# Altium PCB Audio_EDU_Mini_Rev1_0.PcbDoc (part 1 of 2) (continued)
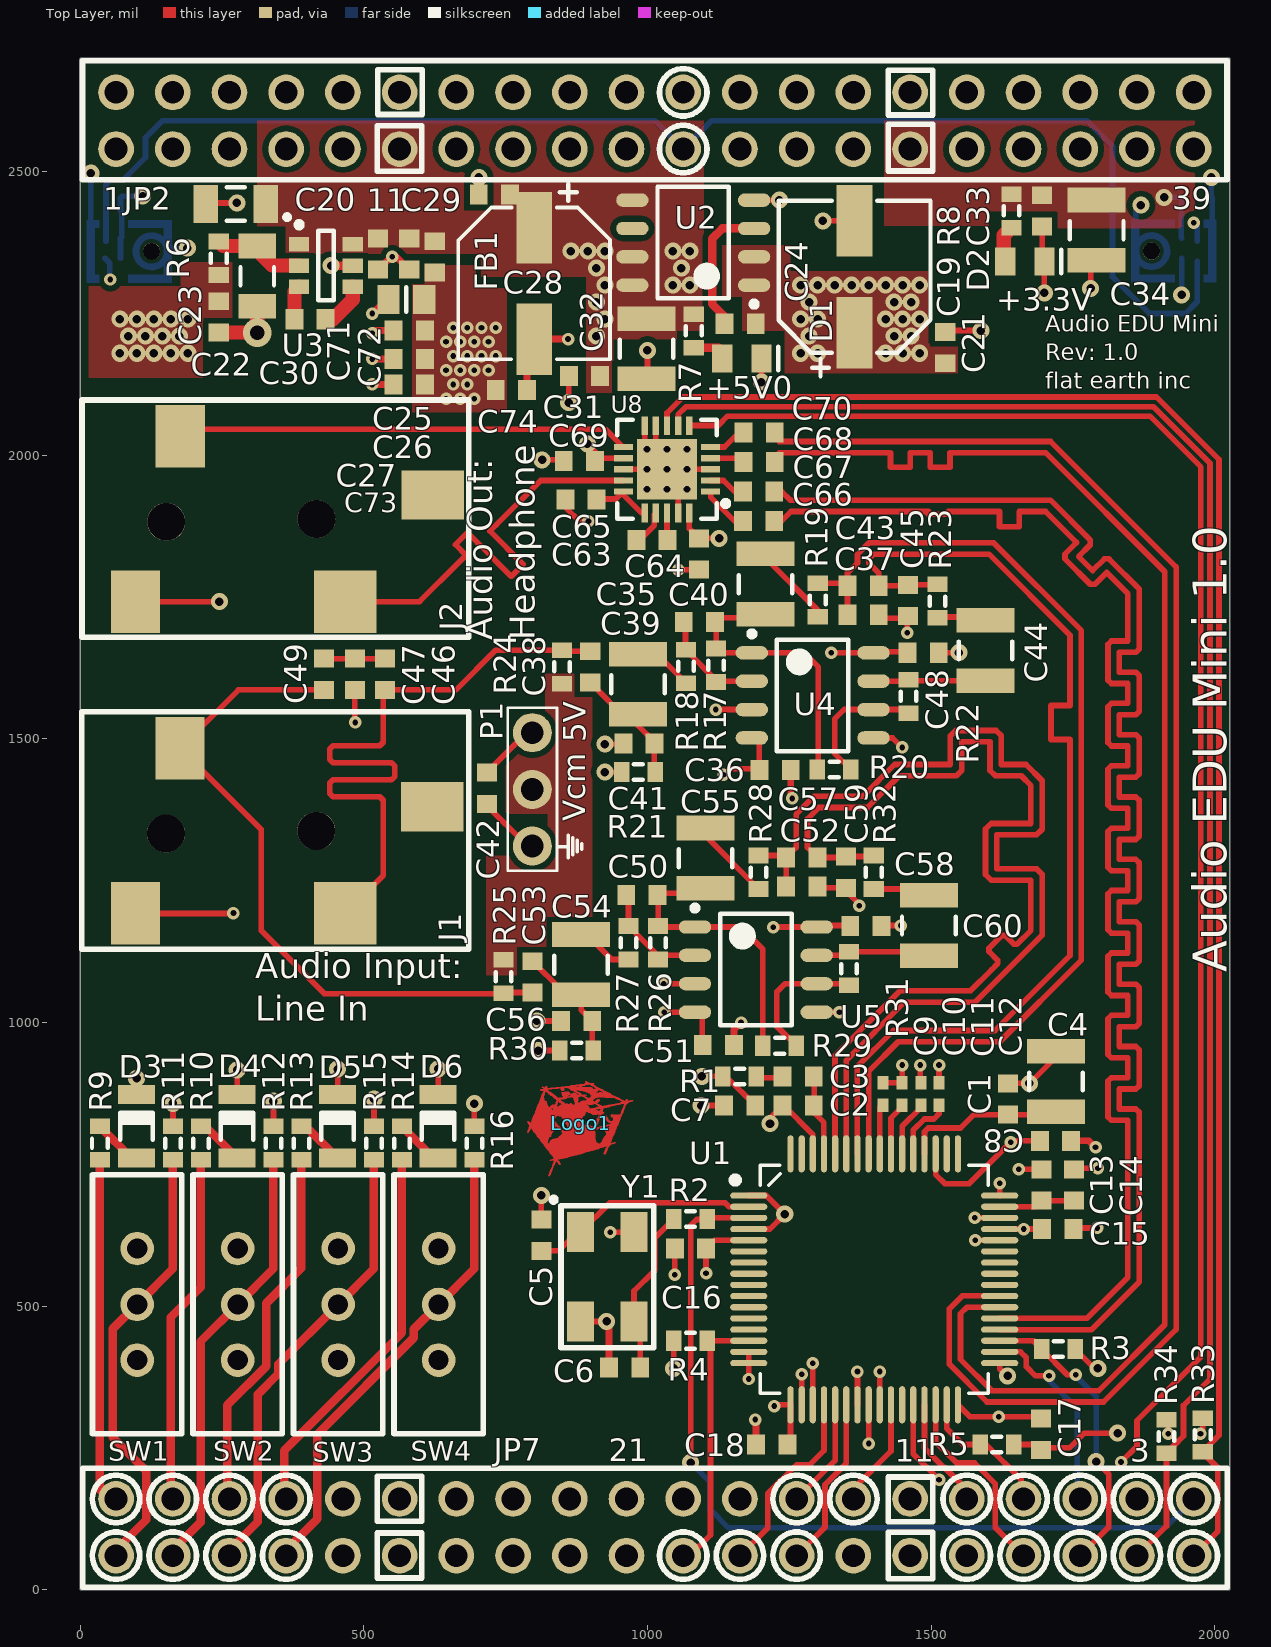
[diagram p0: Top Layer view]
## Part data (continued)
C38 C53 C63 C64 C65 C69: "CAP CER 1UF 16V X7R 0603", Capacitance=1uF, Case/Package=0603, Case Code (Metric)=1608, Dielectric=X7R, Manufacturer=TDK, Max Operating Temperature=125°C, Min Operating Temperature=-55°C, Package Quantity=4000, Supplier Part Number 1=445-12540-6-ND, Tolerance=20%, Voltage Rating=16V, Case Code (Imperial)=0603, ComponentLink1Description=https://product.tdk.com/info/en/catalog/datasheets/mlcc_automotive_general_en.pdf, ComponentLink1URL=https://product.tdk.com/info/en/catalog/datasheets/mlcc_automotive_general_en.pdf, ComponentLink2Description=http://product.tdk.com/capacitor/mlcc/detailed_information.php?lang=en&ref=jp&part_no=CGA3E1X7R1C105M080AC, ComponentLink2URL=http://product.tdk.com/capacitor/mlcc/detailed_information.php?lang=en&ref=jp&part_no=CGA3E1X7R1C105M080AC, ComponentLink3Description=http://product.tdk.com/en/catalog/datasheets/mlcc_automotive_general_en.pdf, ComponentLink3URL=http://product.tdk.com/en/catalog/datasheets/mlcc_automotive_general_en.pdf, Height=0.8mm, Lead Free="Lead Free", Length=0.063inch, Manufacturer Part Number=CGA3E1X7R1C105M080AC, Mount="Surface Mount", Packaging="Tape and Reel", Pricing 1="1=0.14, 10=0.1, 100=0.0468, 500=0.0328, 1000=0.0272 (USD)", Stock 1=18034, Supplier 1=Digi-Key, Termination=SMD/SMT, Thickness=0.035inch, Voltage Rating (DC)=16V, Weight=7.1E-05oz, Width=0.031inch
C41 C43 C56 C57: "CAP CER 100PF 100V 5% NP0 0603", Capacitance=100pF, Manufacturer="TDK Corporation", Operating Temperature="-55°C ~ 125°C", Package / Case="0603 (1608 Metric)", Ratings=-, Supplier Part Number 1=445-2306-1-ND, Temperature Coefficient="C0G, NP0", Tolerance=±5%, Voltage - Rated=100V, Applications="General Purpose", Category=Capacitors, ComponentLink1Description=http://www.tdk.com/pdf/mid_volt_B11.pdf, ComponentLink1URL=http://www.tdk.com/pdf/mid_volt_B11.pdf, Features=-, Height - Seated (Max)=-, Lead Spacing=-, Lead Style=-, Manufacturer Part Number=C1608C0G2A101J, Mounting Type="Surface Mount, MLCC", Packaging="Cut Tape (CT)", Pricing 1="10=0.05, 100=0.0231, 250=0.01892, 500=0.01618, 1000=0.0126 (USD)", RoHS="RoHS Compliant", Size / Dimension="0.063\" L x 0.031\" W (1.60mm x 0.80mm)", Stock 1=128588, Supplier 1=Digi-Key, Thickness (Max)="0.037\" (0.95mm)"
C46 C47 C49: "CAP CER 1000PF 50V 5% NP0 0603", Capacitance=1000pF, Manufacturer="TDK Corporation", Operating Temperature="-55°C ~ 125°C", Package / Case="0603 (1608 Metric)", Ratings=-, Supplier Part Number 1=445-1293-1-ND, Temperature Coefficient="C0G, NP0", Tolerance=±5%, Voltage - Rated=50V, Applications="General Purpose", Category=Capacitors, ComponentLink1Description=http://www.tdk.com/pdf/general_B11.pdf, ComponentLink1URL=http://www.tdk.com/pdf/general_B11.pdf, Features=-, Height - Seated (Max)=-, Lead Spacing=-, Lead Style=-, Manufacturer Part Number=C1608C0G1H102J, Mounting Type="Surface Mount, MLCC", Packaging="Cut Tape (CT)", Pricing 1="10=0.078, 100=0.0358, 250=0.02924, 500=0.02502, 1000=0.0195 (USD)", RoHS="RoHS Compliant", Size / Dimension="0.063\" L x 0.031\" W (1.60mm x 0.80mm)", Stock 1=229834, Supplier 1=Digi-Key, Thickness (Max)="0.037\" (0.95mm)"
C66 C67 C68 C70: "CAP CER 0.47UF 16V X7R 0603", Capacitance=0.47uF, Case/Package=0603, Case Code (Metric)=1608, Dielectric=X7R, Manufacturer=TDK, Max Operating Temperature=125°C, Min Operating Temperature=-55°C, Package Quantity=4000, Supplier Part Number 1=445-12537-6-ND, Tolerance=20%, Voltage Rating=16V, Case Code (Imperial)=0603, ComponentLink1Description=https://product.tdk.com/info/en/catalog/datasheets/mlcc_automotive_general_en.pdf, ComponentLink1URL=https://product.tdk.com/info/en/catalog/datasheets/mlcc_automotive_general_en.pdf, ComponentLink2Description=http://product.tdk.com/capacitor/mlcc/detailed_information.php?lang=en&ref=jp&part_no=CGA3E1X7R1C474M080AC, ComponentLink2URL=http://product.tdk.com/capacitor/mlcc/detailed_information.php?lang=en&ref=jp&part_no=CGA3E1X7R1C474M080AC, ComponentLink3Description=http://product.tdk.com/en/catalog/datasheets/mlcc_automotive_general_en.pdf, ComponentLink3URL=http://product.tdk.com/en/catalog/datasheets/mlcc_automotive_general_en.pdf, Height=0.8mm, Length=0.063inch, Manufacturer Part Number=CGA3E1X7R1C474M080AC, Mount="Surface Mount", Packaging="Tape and Reel", Pricing 1="1=0.18, 10=0.129, 100=0.0605, 500=0.0424, 1000=0.0351 (USD)", Stock 1=6138, Supplier 1=Digi-Key, Thickness=0.035inch, Voltage Rating (DC)=16V, Weight=7.1E-05oz, Width=0.031inch
C71 C72 C73 C74: "CAP 0603 SMD - NoLoad", Capacitance=NoLoad, Load Status="Do Not Install"
D1: "LED 660NM SUPER RED CLR 0805 T/R", Color=Red, Current - Test=20mA, Luminous Flux @ Current - Test=-, Manufacturer="Lumex Opto/Components Inc", Manufacturer Part Number=SML-LX0805SRC-TR, Millicandela Rating=25mcd, Package / Case="0805 (2012 Metric)", Supplier Part Number 1=67-2191-1-ND, Voltage - Forward (Vf) (Typ)=1.7V, Category=Optoelectronics, ComponentLink1Description=http://www.lumex.com/specs/SML-LX0805SRC-TR.pdf, ComponentLink1URL=http://www.lumex.com/specs/SML-LX0805SRC-TR.pdf, Height=1.10mm, Lens Type=Clear, Mounting Type="Surface Mount", Packaging="Cut Tape (CT)", Pricing 1="1=0.56, 10=0.395, 100=0.2596, 250=0.19472, 500=0.177, 1000=0.1416 (USD)", RoHS="RoHS Compliant", Size / Dimension="2.00mm L x 1.25mm W", Stock 1=1141, Supplier 1=Digi-Key, Viewing Angle=140°, Wavelength - Dominant=-, Wavelength - Peak=660nm
D2: "LED 610NM SUPER ORANGE 0805 SMD", Color=Orange, Current - Test=20mA, Luminous Flux @ Current - Test=-, Manufacturer="Lumex Opto/Components Inc", Manufacturer Part Number=SML-LX0805SOC-TR, Millicandela Rating=60mcd, Package / Case="0805 (2012 Metric)", Supplier Part Number 1=67-1637-1-ND, Voltage - Forward (Vf) (Typ)=2V, Category=Optoelectronics, ComponentLink1Description=http://www.lumex.com/specs/SML-LX0805SOC-TR.pdf, ComponentLink1URL=http://www.lumex.com/specs/SML-LX0805SOC-TR.pdf, Height=1.10mm, Lens Style/Size="Rectangle with Flat Top, 1.4mm x 1.25mm", Lens Type=Clear, Mounting Type="Surface Mount", Packaging="Cut Tape (CT)", Pricing 1="1=0.65, 10=0.502, 100=0.3255, 250=0.279, 500=0.2418, 1000=0.186 (USD)", RoHS="RoHS Compliant", Size / Dimension="2.00mm L x 1.25mm W", Stock 1=13373, Supplier 1=Digi-Key, Viewing Angle=140°, Wavelength - Dominant=-, Wavelength - Peak=610nm
D3 D4 D5 D6: "LED ALINGAP ULT GRN CLR 1206 SMD", Color=Green, Current - Test=20mA, Luminous Flux @ Current - Test=-, Manufacturer="Lumex Opto/Components Inc", Manufacturer Part Number=SML-LX1206SUGC-TR, Millicandela Rating=45mcd, Package / Case="1206 (3216 Metric)", Supplier Part Number 1=67-1698-1-ND, Voltage - Forward (Vf) Typ=2.2V, Category=Optoelectronics, ComponentLink1Description=http://www.lumex.com/specs/SML-LX1206SUGC-TR.pdf, ComponentLink1URL=http://www.lumex.com/specs/SML-LX1206SUGC-TR.pdf, Height=1.10mm, Lens Style/Size="Rectangle with Flat Top, 2mm x 1.6mm", Lens Type=Clear, Mounting Type="Surface Mount", Packaging="Cut Tape (CT)", Pricing 1="1=0.64, 10=0.49, 100=0.3534, 250=0.31352, 500=0.2679, 1000=0.2109 (USD)", RoHS="RoHS Compliant", Size / Dimension="3.20mm L x 1.60mm W", Stock 1=11785, Supplier 1=Digi-Key, Viewing Angle=140°, Wavelength - Dominant=-, Wavelength - Peak=574nm
FB1: "FERRITE CHIP 22 OHM 500MA 0603", Current Rating=500mA, DC Resistance (DCR)="350 mOhm Max", Impedance @ Frequency="22 Ohm @ 100MHz", Manufacturer="Murata Electronics North America", Package / Case="0603 (1608 Metric)", Supplier Part Number 1=490-1016-1-ND, Category=Filters, ComponentLink1Description=http://search.murata.co.jp/Ceramy/image/img/PDF/ENG/L0110S0100BLM18B.pdf, ComponentLink1URL=http://search.murata.co.jp/Ceramy/image/img/PDF/ENG/L0110S0100BLM18B.pdf, Filter Type="Differential Mode - Single", Height (Max)="0.037\" (0.95mm)", Manufacturer Part Number=BLM18BA220SN1D, Mounting Type="Surface Mount", Packaging="Cut Tape (CT)", Pricing 1="1=0.24, 10=0.18, 50=0.105, 100=0.084, 250=0.06, 500=0.0408, 1000=0.033 (USD)", RoHS="RoHS Compliant", Size / Dimension="0.063\" L x 0.031\" W (1.60mm x 0.80mm)", Stock 1=10969, Supplier 1=Digi-Key
J1 J2: "3.50mm (0.141\", 1/8\", Mini Plug) - Headphone Phone Jack Stereo Connector Solder", Body Color=Black, Current Rating=1A, Insulation Color=-, Manufacturer="CUI Inc.", Supplier Part Number 1=CP-3523SJCT-ND, Voltage - Rated=12VDC, Actual Diameter="0.142\" (3.60mm)", Body Material=-, Category="Connectors, Interconnects", ComponentLink1Description=http://www.cui.com/product/resource/digikeypdf/sj-352x-smt_series.pdf, ComponentLink1URL=http://www.cui.com/product/resource/digikeypdf/sj-352x-smt_series.pdf, Connector Type="Phone Jack", Contact Material - Plating=Silver, Features="Board Guide", Gender=Female, Includes="1 pc - 1 Connector", Industry Recognized Mating Diameter="3.50mm (0.141\", 1/8\", Mini Plug) - Headphone", Internal Switch(s)="Does Not Contain Switch", LatestRevisionDate=17-Jul-2002, LatestRevisionNote="Re-released for DXP Platform.", Manufacturer Part Number=SJ-3523-SMT-TR, Mating Length/Depth="0.551\" (14.00mm)", Mounting Type="Surface Mount, Right Angle", Number of Positions/Contacts="3 Conductors, 3 Contacts", Packaging="Cut Tape (CT)", Part Status=Active, Pricing 1="1=1.34, 10=1.043, 100=0.7961, 500=0.63558 (USD)", Publisher="Altium Limited", RoHS="RoHS Compliant", Shielding=Unshielded, Signal Lines=Stereo, Stock 1=104981, Supplier 1=Digi-Key, Termination=Solder
JP2 JP7: library part CON_TH_0D100P_2x20, "Female to Male 0D100P 2x20 Connector", Manufacturer=Samtec, LatestRevisionDate=17-Jul-2002, LatestRevisionNote="Re-released for DXP Platform.", Manufacturer Part Number=ESQ-120-14-T-D-LL, Publisher="Altium Limited", Supplier 1=Samtec, Supplier Part Number 1=ESQ-120-14-T-D-LL
Logo1: "FE LOGO in Copper", Load Status="Do Not Install"
P1: library part CONN_TH_3PIN_0D1, "3 Pin Through Hole Connector with 0.1\" Spacing", Manufacturer=Samtec, LatestRevisionDate=17-Jul-2002, LatestRevisionNote="Re-released for DXP Platform.", Manufacturer Part Number=TSW-103-07-G-S, Publisher="Altium Limited", Supplier 1=Samtec, Supplier Part Number 1=TSW-103-07-G-S
R1: "RES SMD 562 OHM 1% 1/10W 0603", Manufacturer="Panasonic Electronic Components", Operating Temperature="-55°C ~ 155°C", Package / Case="0603 (1608 Metric)", Power (Watts)=100mW, Resistance (Ohms)=562, Supplier Device Package=0603, Supplier Part Number 1=P562HCT-ND, Temperature Coefficient=±100ppm/°C, Tolerance=±1%, Category=Resistors, ComponentLink1Description=http://industrial.panasonic.com/www-cgi/jvcr13pz.cgi?E+PZ+3+AOA0002+ERJ3EKF5620V+7+WW, ComponentLink1URL=http://industrial.panasonic.com/www-cgi/jvcr13pz.cgi?E+PZ+3+AOA0002+ERJ3EKF5620V+7+WW, Composition="Thick Film", Failure Rate=-, Features="Automotive AEC-Q200", Height="0.022\" (0.55mm)", Manufacturer Part Number=ERJ-3EKF5620V, Number of Terminations=2, Packaging="Cut Tape (CT)", Part Status=Active, Pricing 1="1=0.1, 50=0.0114, 100=0.0084, 250=0.00644, 500=0.00514, 1000=0.00379 (USD)", RoHS="RoHS Compliant", Size / Dimension="0.063\" L x 0.031\" W (1.60mm x 0.80mm)", Stock 1=336376, Supplier 1=Digi-Key
R2: "RES SMD 49.9 OHM 1% 1/10W 0603", Manufacturer="Panasonic Electronic Components", Operating Temperature="-55°C ~ 155°C", Package / Case="0603 (1608 Metric)", Power (Watts)=100mW, Resistance (Ohms)=49.9, Supplier Device Package=0603, Supplier Part Number 1=P49.9HCT-ND, Temperature Coefficient=±100ppm/°C, Tolerance=±1%, Category=Resistors, ComponentLink1Description=http://industrial.panasonic.com/www-cgi/jvcr13pz.cgi?E+PZ+3+AOA0002+ERJ3EKF49R9V+7+WW, ComponentLink1URL=http://industrial.panasonic.com/www-cgi/jvcr13pz.cgi?E+PZ+3+AOA0002+ERJ3EKF49R9V+7+WW, Composition="Thick Film", Failure Rate=-, Features="Automotive AEC-Q200", Height - Seated (Max)="0.022\" (0.55mm)", Number of Terminations=2, Packaging="Cut Tape (CT)", Part Status=Active, Pricing 1="1=0.1, 10=0.019, 25=0.0136, 50=0.0104, 100=0.0077, 250=0.00584, 500=0.00468, 1000=0.00345 (USD)", RoHS="RoHS Compliant", Size / Dimension="0.063\" L x 0.031\" W (1.60mm x 0.80mm)", Stock 1=1715606, Supplier 1=Digi-Key
R3 R4 R5 R11 R12 R15 R16 R33 R34: "RES 10K OHM 1/10W 5% 0603 SMD", Manufacturer="Panasonic - ECG", Package / Case="0603 (1608 Metric)", Power (Watts)=100mW, Resistance (Ohms)=10K, Supplier Part Number 1=P10KGCT-ND, Temperature Coefficient=±200ppm/°C, Tolerance=±5%, Category=Resistors, ComponentLink1Description=http://industrial.panasonic.com/www-cgi/jvcr13pz.cgi?E+PZ+3+AOA0001+ERJ3GEYJ103V+7+WW, ComponentLink1URL=http://industrial.panasonic.com/www-cgi/jvcr13pz.cgi?E+PZ+3+AOA0001+ERJ3GEYJ103V+7+WW, Composition="Thick Film", Features=-, Height="0.022\" (0.55mm)", Manufacturer Part Number=ERJ-3GEYJ103V, Number of Terminations=2, Packaging="Cut Tape (CT)", Pricing 1="1=0.02, 50=0.0092, 100=0.007, 250=0.0052, 500=0.00384, 1000=0.00256 (USD)", RoHS="RoHS Compliant", Size / Dimension="0.063\" L x 0.031\" W (1.60mm x 0.80mm)", Stock 1=16219504, Supplier 1=Digi-Key
R6: "RES 3.9 OHM 1/10W 1% 0603 SMD", Manufacturer="Panasonic Electronic Components", Package / Case="0603 (1608 Metric)", Power (Watts)=100mW, Resistance (Ohms)=3.9, Supplier Device Package=0603, Supplier Part Number 1=P3.9AJCT-ND, Temperature Coefficient=±200ppm/°C, Tolerance=±1%, Category=Resistors, ComponentLink1Description=http://industrial.panasonic.com/www-cgi/jvcr13pz.cgi?E+PZ+3+AOA0003+ERJ3RQF3R9V+7+WW, ComponentLink1URL=http://industrial.panasonic.com/www-cgi/jvcr13pz.cgi?E+PZ+3+AOA0003+ERJ3RQF3R9V+7+WW, Composition="Thick Film", Features=-, Height="0.022\" (0.55mm)", Manufacturer Part Number=ERJ-3RQF3R9V, Number of Terminations=2, Packaging="Cut Tape (CT)", Pricing 1="1=0.29, 50=0.1138, 100=0.0878, 250=0.06824, 500=0.0481, 1000=0.0351 (USD)", RoHS="RoHS Compliant", Size / Dimension="0.063\" L x 0.031\" W (1.60mm x 0.80mm)", Stock 1=44573, Supplier 1=Digi-Key
R7: "RES 499 OHM 1/10W 1% 0603 SMD", Manufacturer="Panasonic - ECG", Package / Case="0603 (1608 Metric)", Power (Watts)=100mW, Resistance (Ohms)=499, Supplier Part Number 1=P499HCT-ND, Temperature Coefficient=±100ppm/°C, Tolerance=±1%, Category=Resistors, ComponentLink1Description=http://industrial.panasonic.com/www-cgi/jvcr13pz.cgi?E+PZ+3+AOA0002+ERJ3EKF4990V+7+WW, ComponentLink1URL=http://industrial.panasonic.com/www-cgi/jvcr13pz.cgi?E+PZ+3+AOA0002+ERJ3EKF4990V+7+WW, Composition="Thick Film", Features=-, Height="0.022\" (0.55mm)", Manufacturer Part Number=ERJ-3EKF4990V, Number of Terminations=2, Packaging="Cut Tape (CT)", Pricing 1="1=0.1, 50=0.0138, 100=0.0105, 250=0.0078, 500=0.00576, 1000=0.00384 (USD)", RoHS="RoHS Compliant", Size / Dimension="0.063\" L x 0.031\" W (1.60mm x 0.80mm)", Stock 1=748630, Supplier 1=Digi-Key
R8: "RES SMD 374 OHM 1% 1/10W 0603", Manufacturer="Panasonic Electronic Components", Operating Temperature="-55°C ~ 155°C", Package / Case="0603 (1608 Metric)", Power (Watts)=100mW, Resistance (Ohms)=374, Supplier Device Package=0603, Supplier Part Number 1=P374HCT-ND, Temperature Coefficient=±100ppm/°C, Tolerance=±1%, Category=Resistors, ComponentLink1Description=http://industrial.panasonic.com/www-cgi/jvcr13pz.cgi?E+PZ+3+AOA0002+ERJ3EKF3740V+7+WW, ComponentLink1URL=http://industrial.panasonic.com/www-cgi/jvcr13pz.cgi?E+PZ+3+AOA0002+ERJ3EKF3740V+7+WW, Composition="Thick Film", Features="Automotive AEC-Q200", Height="0.022\" (0.55mm)", Manufacturer Part Number=ERJ-3EKF3740V, Number of Terminations=2, Packaging="Cut Tape (CT)", Part Status=Active, Pricing 1="1=0.1, 50=0.0114, 100=0.0084, 250=0.00644, 500=0.00514, 1000=0.00379 (USD)", RoHS="RoHS Compliant", Size / Dimension="0.063\" L x 0.031\" W (1.60mm x 0.80mm)", Stock 1=48031, Supplier 1=Digi-Key
R9 R10 R13 R14: "RES SMD 220 OHM 0.1% 1/5W 0603", Manufacturer="Panasonic Electronic Components", Operating Temperature="-55°C ~ 155°C", Package / Case="0603 (1608 Metric)", Power (Watts)=200mW, Resistance (Ohms)=220, Supplier Device Package=0603, Supplier Part Number 1=P19894CT-ND, Temperature Coefficient=±50ppm/°C, Tolerance=±0.1%, Category=Resistors, ComponentLink1Description=https://industrial.panasonic.com/cdbs/www-data/pdf/RDM0000/AOA0000C328.pdf, ComponentLink1URL=https://industrial.panasonic.com/cdbs/www-data/pdf/RDM0000/AOA0000C328.pdf, Composition="Thick Film", Failure Rate=-, Features="Automotive AEC-Q200, Pulse Withstanding", Height - Seated (Max)="0.022\" (0.55mm)", Manufacturer Part Number=ERJ-PB3B2200V, Packaging="Cut Tape (CT)", Part Status=Active, Pricing 1="1=0.24, 10=0.204, 25=0.1488, 50=0.1078, 100=0.0799, 250=0.06136, 500=0.04834, 1000=0.03346 (USD)", RoHS="RoHS Compliant", Size / Dimension="0.063\" L x 0.032\" W (1.60mm x 0.80mm)", Stock 1=4143, Supplier 1=Digi-Key
R17 R18 R20 R22 R26 R27 R29 R31: "RES SMD 5.76K OHM 1% 1/10W 0603", Manufacturer="Panasonic Electronic Components", Operating Temperature="-55°C ~ 155°C", Package / Case="0603 (1608 Metric)", Power (Watts)=100mW, Resistance (Ohms)=5.76k, Supplier Device Package=0603, Supplier Part Number 1=P5.76KHCT-ND, Temperature Coefficient=±100ppm/°C, Tolerance=±1%, Category=Resistors, ComponentLink1Description=http://industrial.panasonic.com/www-cgi/jvcr13pz.cgi?E+PZ+3+AOA0002+ERJ3EKF5761V+7+WW, ComponentLink1URL=http://industrial.panasonic.com/www-cgi/jvcr13pz.cgi?E+PZ+3+AOA0002+ERJ3EKF5761V+7+WW, Composition="Thick Film", Features="Automotive AEC-Q200", Height="0.022\" (0.55mm)", Manufacturer Part Number=ERJ-3EKF5761V, Number of Terminations=2, Packaging="Cut Tape (CT)", Part Status=Active, Pricing 1="1=0.1, 50=0.0114, 100=0.0084, 250=0.00644, 500=0.00514, 1000=0.00379 (USD)", RoHS="RoHS Compliant", Size / Dimension="0.063\" L x 0.031\" W (1.60mm x 0.80mm)", Stock 1=90842, Supplier 1=Digi-Key
R19 R23 R28 R32: "RES SMD 237 OHM 1% 1/10W 0603", Manufacturer="Panasonic Electronic Components", Operating Temperature="-55°C ~ 155°C", Package / Case="0603 (1608 Metric)", Power (Watts)=100mW, Resistance (Ohms)=237, Supplier Device Package=0603, Supplier Part Number 1=P237HCT-ND, Temperature Coefficient=±100ppm/°C, Tolerance=±1%, Category=Resistors, ComponentLink1Description=http://industrial.panasonic.com/www-cgi/jvcr13pz.cgi?E+PZ+3+AOA0002+ERJ3EKF2370V+7+WW, ComponentLink1URL=http://industrial.panasonic.com/www-cgi/jvcr13pz.cgi?E+PZ+3+AOA0002+ERJ3EKF2370V+7+WW, Composition="Thick Film", Features="Automotive AEC-Q200", Height="0.022\" (0.55mm)", Manufacturer Part Number=ERJ-3EKF2370V, Number of Terminations=2, Packaging="Cut Tape (CT)", Part Status=Active, Pricing 1="1=0.1, 50=0.0114, 100=0.0084, 250=0.00644, 500=0.00514, 1000=0.00379 (USD)", RoHS="RoHS Compliant", Size / Dimension="0.063\" L x 0.031\" W (1.60mm x 0.80mm)", Stock 1=74413, Supplier 1=Digi-Key
R21 R30: "RES SMD 4.99K OHM 1% 1/10W 0603", Manufacturer="Panasonic Electronic Components", Operating Temperature="-55°C ~ 155°C", Package / Case="0603 (1608 Metric)", Power (Watts)=100mW, Resistance (Ohms)=4.99k, Supplier Device Package=0603, Supplier Part Number 1=P4.99KHCT-ND, Temperature Coefficient=±100ppm/°C, Tolerance=±1%, Category=Resistors, ComponentLink1Description=http://industrial.panasonic.com/www-cgi/jvcr13pz.cgi?E+PZ+3+AOA0002+ERJ3EKF4991V+7+WW, ComponentLink1URL=http://industrial.panasonic.com/www-cgi/jvcr13pz.cgi?E+PZ+3+AOA0002+ERJ3EKF4991V+7+WW, Composition="Thick Film", Features="Automotive AEC-Q200", Height="0.022\" (0.55mm)", Manufacturer Part Number=ERJ-3EKF4991V, Number of Terminations=2, Packaging="Cut Tape (CT)", Part Status=Active, Pricing 1="1=0.1, 50=0.0114, 100=0.0084, 250=0.00644, 500=0.00514, 1000=0.00379 (USD)", RoHS="RoHS Compliant", Size / Dimension="0.063\" L x 0.031\" W (1.60mm x 0.80mm)", Stock 1=870970, Supplier 1=Digi-Key
R24 R25: "RES SMD 6.81K OHM 1% 1/10W 0603", Case/Package=0603, Case Code (Metric)=1608, Manufacturer="Panasonic ECG", Max Operating Temperature=155°C, Max Power Dissipation=100mW, Min Operating Temperature=-55°C, Package Quantity=1, Resistance=6.81k, Supplier Part Number 1=P6.81KHDKR-ND, Temperature Coefficient=100ppm/°C, Tolerance=1%, Voltage Rating=75V, Voltage Rating (DC)=50V, Case Code (Imperial)=0603, ComponentLink1Description=https://datasheet.ciiva.com/9117/aoa0000ce2-9117125.pdf, ComponentLink1URL=https://datasheet.ciiva.com/9117/aoa0000ce2-9117125.pdf, ComponentLink2Description=https://datasheet.ciiva.com/46389/426256-46389990.pdf, ComponentLink2URL=https://datasheet.ciiva.com/46389/426256-46389990.pdf, ComponentLink3Description=https://datasheet.ciiva.com/24027/aoa0000ce2-24027336.pdf, ComponentLink3URL=https://datasheet.ciiva.com/24027/aoa0000ce2-24027336.pdf, ComponentLink4Description=https://datasheet.ciiva.com/28693/1678782-28693560.pdf, ComponentLink4URL=https://datasheet.ciiva.com/28693/1678782-28693560.pdf, ComponentLink5Description=https://datasheet.ciiva.com/5969/426256-5969386.pdf, ComponentLink5URL=https://datasheet.ciiva.com/5969/426256-5969386.pdf, ComponentLink6Description=https://datasheet.ciiva.com/16440/aoa0000ce2-16440170.pdf, ComponentLink6URL=https://datasheet.ciiva.com/16440/aoa0000ce2-16440170.pdf, ComponentLink7Description=https://datasheet.ciiva.com/48531/aoa0000ce2-48531934.pdf, ComponentLink7URL=https://datasheet.ciiva.com/48531/aoa0000ce2-48531934.pdf, ComponentLink8Description=https://datasheet.ciiva.com/16759/70260748-16759487.pdf, ComponentLink8URL=https://datasheet.ciiva.com/16759/70260748-16759487.pdf, ComponentLink9Description=https://datasheet.ciiva.com/43460/426256-43460527.pdf, ComponentLink9URL=https://datasheet.ciiva.com/43460/426256-43460527.pdf, Composition="Thick Film", Contact Plating=Tin, Depth=0.8mm, Height=0.45mm, Lead Free="Lead Free", Length=1.6mm, Manufacturer Part Number=ERJ-3EKF6811V, Military Standard=Not, Mount="Surface Mount", Number of Terminations=2, Packaging="Tape and Reel", Power Rating=100mW, Pricing 1="1=0.1, 10=0.063, 100=0.0257, 1000=0.0115, 2500=0.01 (USD)", Radiation Hardening=No, REACH SVHC=Unknown, Stock 1=326226, Supplier 1=Digi-Key, Termination=SMD/SMT, Width=0.8mm
SW1 SW2 SW3 SW4: library part EG1218, Current Rating="200mA (DC)", Manufacturer=E-Switch, Operating Force=250gf, Operating Temperature="-20°C ~ 70°C", Supplier Part Number 1=EG1903-ND, Voltage Rating - AC=-, Voltage Rating - DC=30V, Actuator Length=2.00mm, Actuator Material=-, Actuator Type=Standard, Category=Switches, Circuit=SPDT, ComponentLink1Description=http://spec_sheets.e-switch.com/specs/P040040.pdf, ComponentLink1URL=http://spec_sheets.e-switch.com/specs/P040040.pdf, Contact Finish=Silver, Contact Material="Copper Alloy", Contact Timing="Non-Shorting (BBM)", Electrical Life=-, Features=-, LatestRevisionDate=17-Jul-2002, LatestRevisionNote="Re-released for DXP Platform.", Manufacturer Part Number=EG1218, Mechanical Life=-, Mounting Type="Through Hole", Packaging=Bulk, Part Status=Active, Pricing 1="1=0.58, 10=0.559, 25=0.5476, 50=0.4894, 100=0.466, 250=0.45436, 500=0.38446, 1000=0.3728 (USD)", Publisher="Altium Limited", RoHS="RoHS Compliant", Stock 1=22149, Supplier 1=Digi-Key, Switch Function=On-On, Switch Travel=2.50mm, Termination Style="PC Pin"
U1: "Single-chip codec that prvides 4 ADCs with differential input and 8 DACs with differential output", Manufacturer="Analog Devices Inc.", Operating Temperature="-40°C ~ 105°C", Package / Case=64-LQFP, Supplier Device Package="64-LQFP (10x10)", Supplier Part Number 1=AD1939YSTZ-ND, Voltage - Supply, Analog="3 V ~ 3.6 V", Category="Integrated Circuits (ICs)", ComponentLink1Description=http://www.analog.com/media/en/technical-documentation/data-sheets/AD1939.pdf, ComponentLink1URL=http://www.analog.com/media/en/technical-documentation/data-sheets/AD1939.pdf, Data Interface=Serial, Dynamic Range, ADCs / DACs (db) Typ="105 / 110", Manufacturer Part Number=AD1939YSTZ, Mounting Type="Surface Mount", Number of ADCs / DACs="4 / 8", Packaging=Tray, Pricing 1="1=15.81, 10=14.527, 100=12.269, 500=10.91416, 1000=10.01091, 2500=9.63456, 5000=9.33348 (USD)", Resolution (Bits)="24 b", RoHS="RoHS Compliant", S/N Ratio, ADCs / DACs (db) Typ="94 / 94", Sigma Delta=Yes, Stock 1=432, Supplier 1=Digi-Key, Type="General Purpose", Voltage - Supply, Digital="3 V ~ 3.6 V"
U2: "Linear Voltage Regulator IC Positive Fixed 1 Output 3.3V 200mA 8-SOIC", Current - Limit (Min)=-, Current - Output=200mA, Manufacturer="Analog Devices Inc.", Operating Temperature="-25°C ~ 125°C", Package / Case="8-SOIC (0.154\", 3.90mm Width)", Supplier Device Package=8-SOIC, Supplier Part Number 1=ADP3303ARZ-3.3-RL7CT-ND, Voltage - Dropout (Typical)="0.18V @ 200mA", Voltage - Input="Up to 12V", Voltage - Output=3.3V, Category="Integrated Circuits (ICs)", ComponentLink1Description=http://www.analog.com/media/en/technical-documentation/data-sheets/ADP3303.pdf, ComponentLink1URL=http://www.analog.com/media/en/technical-documentation/data-sheets/ADP3303.pdf, Manufacturer Part Number=ADP3303ARZ-3.3-RL7, Mounting Type="Surface Mount", Number of Regulators=1, Packaging="Cut Tape (CT)", Part Status=Active, Pricing 1="1=3.19, 10=2.867, 100=2.3517, 500=2.0007 (USD)", Regulator Topology="Positive Fixed", RoHS="RoHS Compliant", Stock 1=2012, Supplier 1=Digi-Key
U3: library part LTC1983ES6-5#TRMPBF, "IC REG SWITCHD CAP INV -5V SOT23", Current - Output=100mA, Frequency - Switching=900kHz, Manufacturer="Linear Technology", Operating Temperature="-40°C ~ 85°C", Package / Case="SOT-23-6 Thin, TSOT-23-6", Supplier Device Package=TSOT-23-6, Supplier Part Number 1=LTC1983ES6-5#TRMPBFCT-ND, Voltage - Input="2.3 V ~ 5.5 V", Voltage - Output=-5V, Category="Integrated Circuits (ICs)", ComponentLink1Description=http://www.linear.com/docs/2135, ComponentLink1URL=http://www.linear.com/docs/2135, Manufacturer Part Number=LTC1983ES6-5#TRMPBF, Mounting Type="Surface Mount", Number of Outputs=1, Output Type=Fixed, Packaging="Cut Tape (CT)", Pricing 1="1=4.28, 25=3.8192, 100=3.4371 (USD)", PWM Type="Burst Mode®", RoHS="RoHS Compliant", Stock 1=6466, Supplier 1=Digi-Key, Synchronous Rectifier=No, Type="Switched Capacitor (Charge Pump), Inverting"
U4 U5: "IC OPAMP GP 6.5MHZ 8SOIC", Current - Input Bias=30nA, Current - Output / Channel=40mA, Current - Supply=1.8mA, Manufacturer="Analog Devices Inc.", Operating Temperature="-40°C ~ 125°C", Package / Case="8-SOIC (0.154\", 3.90mm Width)", Supplier Device Package=8-SOIC, Supplier Part Number 1=ADA4075-2ARZ-R7CT-ND, Voltage - Input Offset=200µV, Voltage - Supply, Single/Dual (±)="±4.5 V ~ 18 V", -3db Bandwidth=-, Amplifier Type="General Purpose", Category="Integrated Circuits (ICs)", ComponentLink1Description=http://www.analog.com/media/en/technical-documentation/data-sheets/ADA4075-2.pdf, ComponentLink1URL=http://www.analog.com/media/en/technical-documentation/data-sheets/ADA4075-2.pdf, Gain Bandwidth Product=6.5MHz, Manufacturer Part Number=ADA4075-2ARZ-R7, Mounting Type="Surface Mount", Number of Circuits=2, Output Type=-, Packaging="Cut Tape (CT)", Part Status=Active, Pricing 1="1=2.28, 10=2.05, 100=1.6441, 500=1.35136 (USD)", RoHS="RoHS Compliant", Slew Rate="12 V/µs", Stock 1=11196, Supplier 1=Digi-Key
U6 U7: "45Hz ~ 20kHz Digital, PDM Microphone MEMS (Silicon) Omnidirectional (-46dB ±2dB @ 94dB SPL) Solder Pads", Current - Supply=1.6mA, Frequency Range="45Hz ~ 20kHz", Manufacturer=InvenSense, Manufacturer Part Number=INMP621ACEZ-R7, Seal Rating=None, Supplier Part Number 1=1428-1018-1-ND, Voltage - Rated=-, Voltage Range="1.62 ~ 3.63V", Category="Audio Products", ComponentLink1Description=https://www.invensense.com/wp-content/uploads/2015/02/INMP621.pdf, ComponentLink1URL=https://www.invensense.com/wp-content/uploads/2015/02/INMP621.pdf, Direction=Omnidirectional, Height (Max)=1.10mm, Impedance=-, Output Type="Digital, PDM", Packaging="Cut Tape (CT)", Part Status=Active, Port Location=Bottom, Pricing 1="1=2.88, 10=2.491, 25=2.2292, 50=1.9668, 100=1.9012, 250=1.83568, 500=1.77012 (USD)", RoHS="RoHS Compliant", S/N Ratio=65dB, Sensitivity="-46dB ±2dB @ 94dB SPL", Shape=Rectangular, Size / Dimension="4.00mm L x 3.00mm W", Stock 1=1211, Supplier 1=Digi-Key, Termination="Solder Pads", Type="MEMS (Silicon)"
U8: "Amplifier IC Headphones, 2-Channel (Stereo) Class AB 20-QFN (4x4)", Manufacturer="Texas Instruments", Max Output Power x Channels @ Load="290mW x 1 @ 16 Ohm; 138mW x 2 @ 16 Ohm", Operating Temperature="-40°C ~ 85°C (TA)", Package / Case="20-WFQFN Exposed Pad", Supplier Device Package="20-QFN (4x4)", Supplier Part Number 1=296-21656-1-ND, Voltage - Supply="2.5 V ~ 5.5 V", Category="Integrated Circuits (ICs)", ComponentLink1Description=http://www.ti.com/lit/ds/symlink/tpa6130a2.pdf, ComponentLink1URL=http://www.ti.com/lit/ds/symlink/tpa6130a2.pdf, Features="Depop, Differential Inputs, I²C, Mute, Short-Circuit and Thermal Protection, Shutdown, Volume Control", LatestRevisionDate=17-Jul-2002, LatestRevisionNote="Re-released for DXP Platform.", Manufacturer Part Number=TPA6130A2RTJR, Mounting Type="Surface Mount", Output Type="Headphones, 2-Channel (Stereo)", Packaging="Cut Tape (CT)", Part Status=Active, Pricing 1="1=2.19, 10=1.966, 100=1.5768, 500=1.296, 1000=0.9 (USD)", Publisher="Altium Limited", RoHS="RoHS Compliant", Stock 1=15763, Supplier 1=Digi-Key, Type="Class AB"
Y1: library part XTAL_12.288MHz, "12.288MHz ±10ppm Crystal 10pF 70 Ohm -10°C ~ 60°C Surface Mount 4-SMD, No Lead (DFN, LCC)", ESR (Equivalent Series Resistance)="70 Ohm", Frequency=12.288MHz, Frequency Stability=±10ppm, Load Capacitance=10pF, Manufacturer="Abracon LLC", Operating Mode=Fundamental, Operating Temperature="-10°C ~ 60°C", Package / Case="4-SMD, No Lead (DFN, LCC)", Ratings=-, Supplier Part Number 1=300-8198-1-ND, Category="Crystals and Oscillators", ComponentLink1Description=http://www.abracon.com/Resonators/abm3b.pdf, ComponentLink1URL=http://www.abracon.com/Resonators/abm3b.pdf, Frequency Tolerance=±10ppm, Height="0.043\" (1.10mm)", Manufacturer Part Number=ABM3B-12.288MHZ-10-1-U-T, Mounting Type="Surface Mount", Packaging="Cut Tape (CT)", Part Status=Active, Pricing 1="1=1.09, 10=0.968, 50=0.904, 100=0.8, 500=0.756 (USD)", RoHS="RoHS Compliant", Size / Dimension="0.197\" L x 0.126\" W (5.00mm x 3.20mm)", Stock 1=1220, Supplier 1=Digi-Key, Type="MHz Crystal"

## Via types
v1: diameter 30, hole 15, Top Layer to Bottom Layer, tented both sides, 99 vias
v2: diameter 22, hole 10, Top Layer to Bottom Layer, tented both sides, 76 vias
v3: diameter 24.02, hole 11.81, Top Layer to Bottom Layer, 9 vias
v4: diameter 50, hole 25, Top Layer to Bottom Layer, tented both sides, 1 vias

## Nets (pads, with @x,y where several pads share a name; then routed paths per layer and width w, separated by ;. In a path a pad name is that pad's centre, name@x,y a point inside that pad or via, vN(x,y) a via of type N, cw(c..) or ccw(c..) an arc to the next point about the centre after c; other vN are vias at no path point)
+3V3A: C2.1 C7.1 C8.2 C15.1 C16.1 C19.1 C21.1 C24.1 R1.1 U1.5 U1.45 U1.51 U1.62 U2.1 U2.2 | length 722.4
  Top Layer w10: v1(1096,905) 1132.54,905 R1.1@1132.81,904.73 1138.72,904.73 C7.1@1189.9,853.55 ; v2(1103.3,558.07) C16.1@1103.3,601.38 1118.07,616.14 U1.5@1178.52,616.14 ; v1(1216,821.67) 1216,831.43 C2.1@1238.13,853.55 1240.45,853.55 1291.5,802.5 U1.62@1291.5,768.5 ; U1.51@1508.04,768.5 1508.04,731.96 1524,716 1567.32,716 v2(1640.32,789) 1642.66,791.34 C8.2@1691.88,791.34 ; U1.45@1621.02,635.83 v2(1663.34,635.83) C15.1@1695.82,635.83
  other v1: 1269.83,2180 1299.83,2180 1419.83,2180 1449.83,2180 1479.83,2180 1284.83,2210 1434.83,2210 1464.83,2210 1269.83,2240 1299.83,2240 1419.83,2240 1449.83,2240 1479.83,2240 1284.83,2270 1434.83,2270 1464.83,2270 1269.83,2300 1299.83,2300 1329.83,2300 1359.83,2300 1389.83,2300 1419.83,2300 1449.83,2300 1479.83,2300
+3V3D: C17.2 C18.1 C33.2 C34.2 C61.2 C62.1 JP2.29 R3.1 R4.1 R8.2 R33.2 R34.2 SW1.1 SW2.1 SW3.1 SW4.1 U1.17 U1.32 U6.2 U6.4 U7.4 | length 684.9
  Top Layer w10: v1(1046.22,390.22) R4.1@1046.22,438.98 ; v2(1223.38,323.82) 1225.56,326 U1.17@1252.13,326 1252.13,258.08 C18.1@1246.02,251.97 ; JP2.29@1459.2,2540.16 JP2.29@1459.2,2550.79 ; U1.32@1547.41,326 1568.29,305.12 v2(1619.12,305.12) C17.2@1693.85,305.12 ; R3.1@1753.89,424.21 1788.1,390 v1(1794,390) ; v2@1918,277 R34.2@1918,301.53 ; v2(1975,275) 1977,275 1979,273 R33.2@1979,300.53
  Bottom Layer w10: U6.4@70.82,2347.44 70.82,2382.87 73,2385.06 73,2430.11 70.82,2432.29 70.82,2453.74 C62.1@73.77,2456.69 74.08,2457 v1(110,2457) ; v1(1911,2455) 1937.24,2455 C61.2@1938.93,2456.69 1941.88,2453.74 1941.88,2422.99 1940.97,2422.08 1940.97,2383.79 U7.4@1941.88,2382.87
  other v2: 1918,275